# Allegro board IMX28x_TEST_V10A.brd
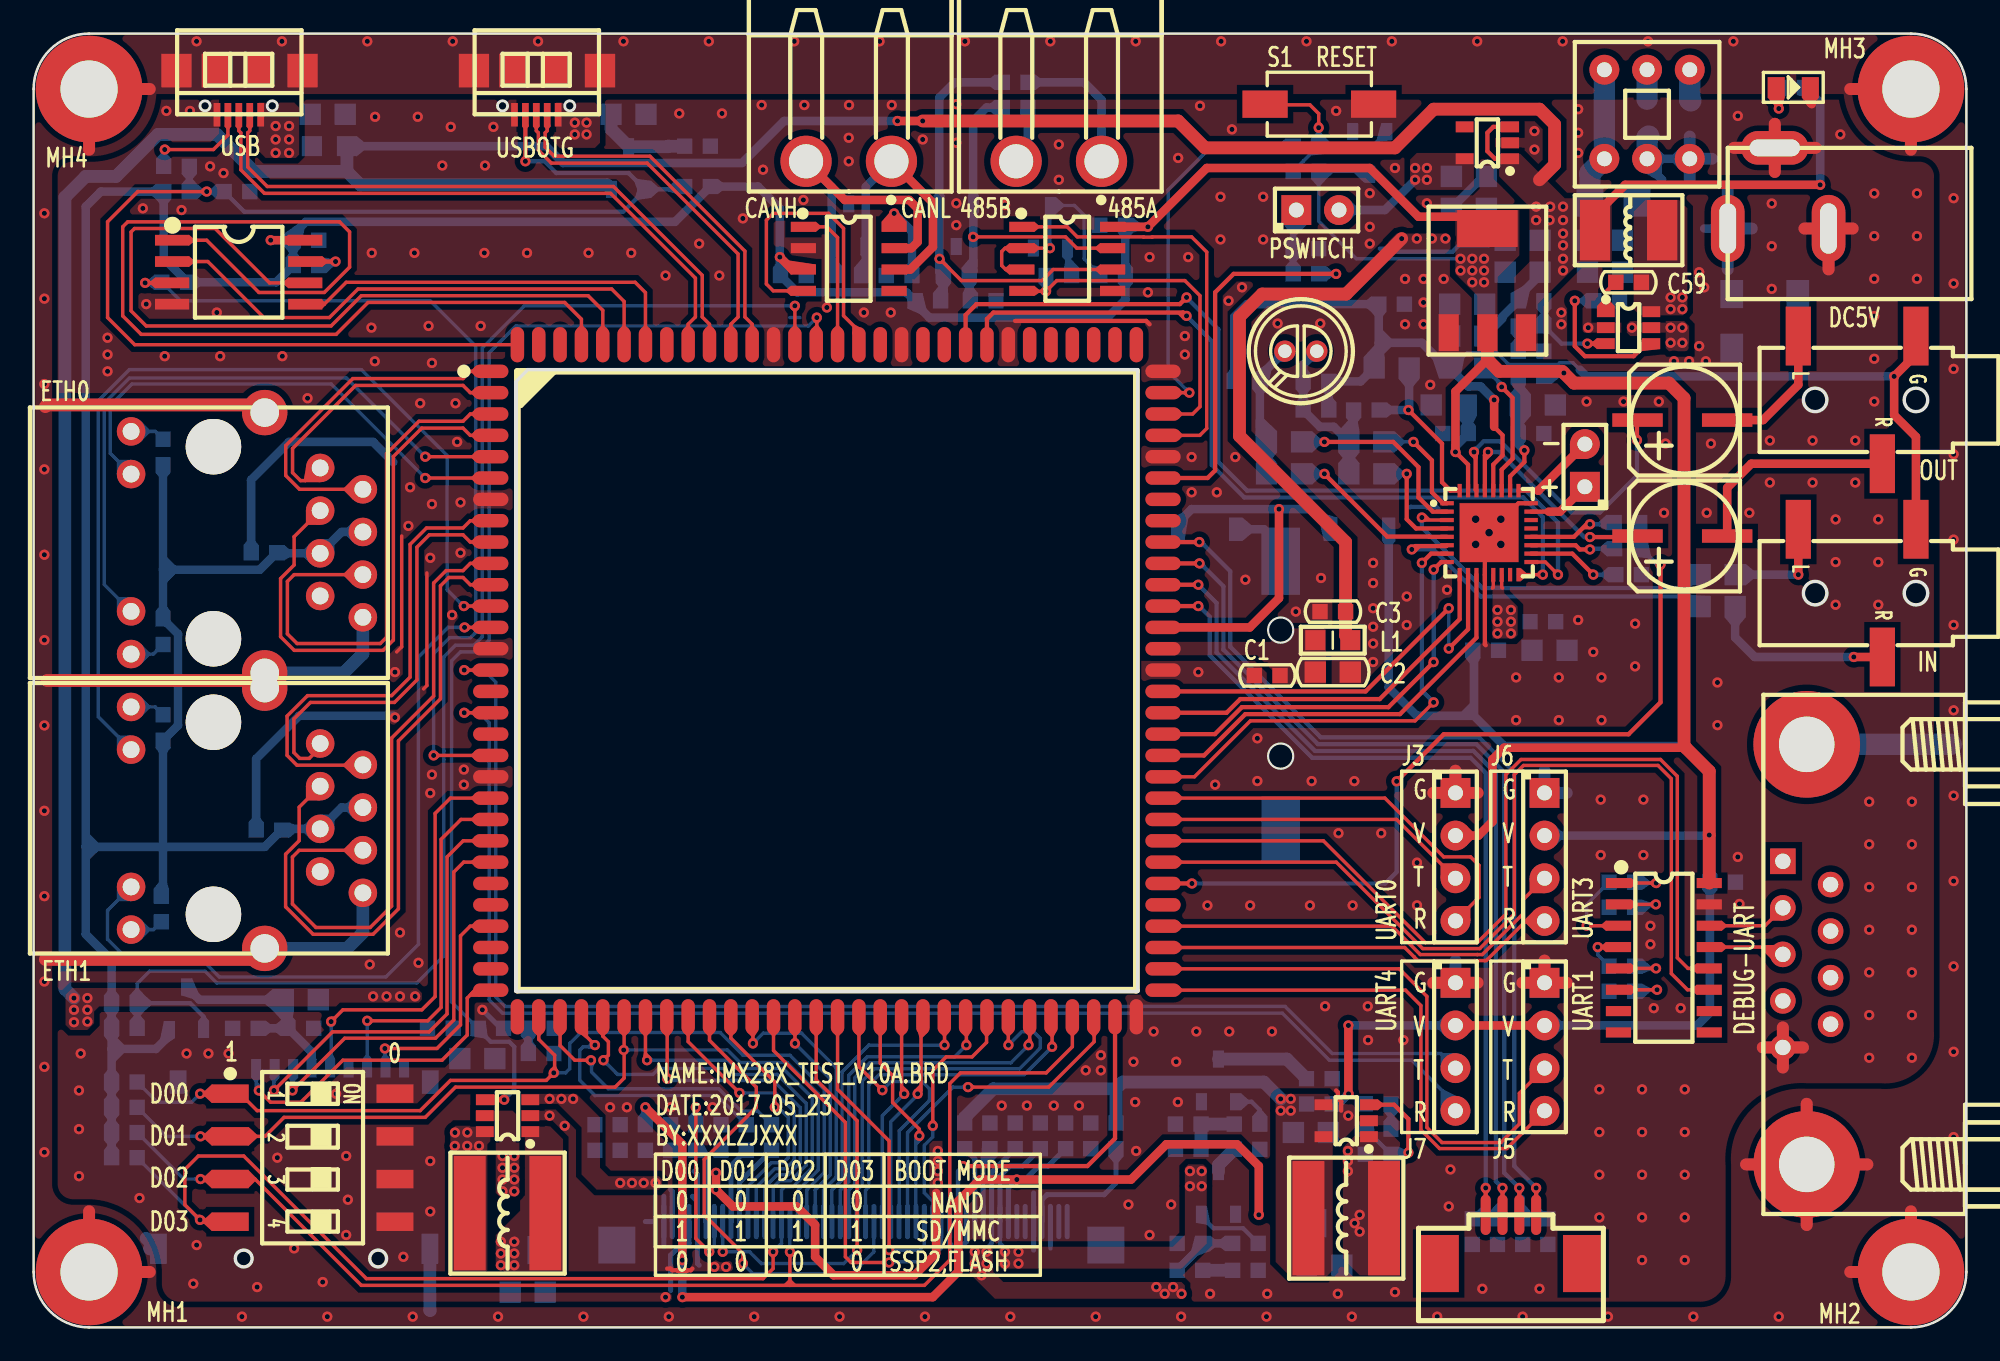
[diagram p0: board, top side]
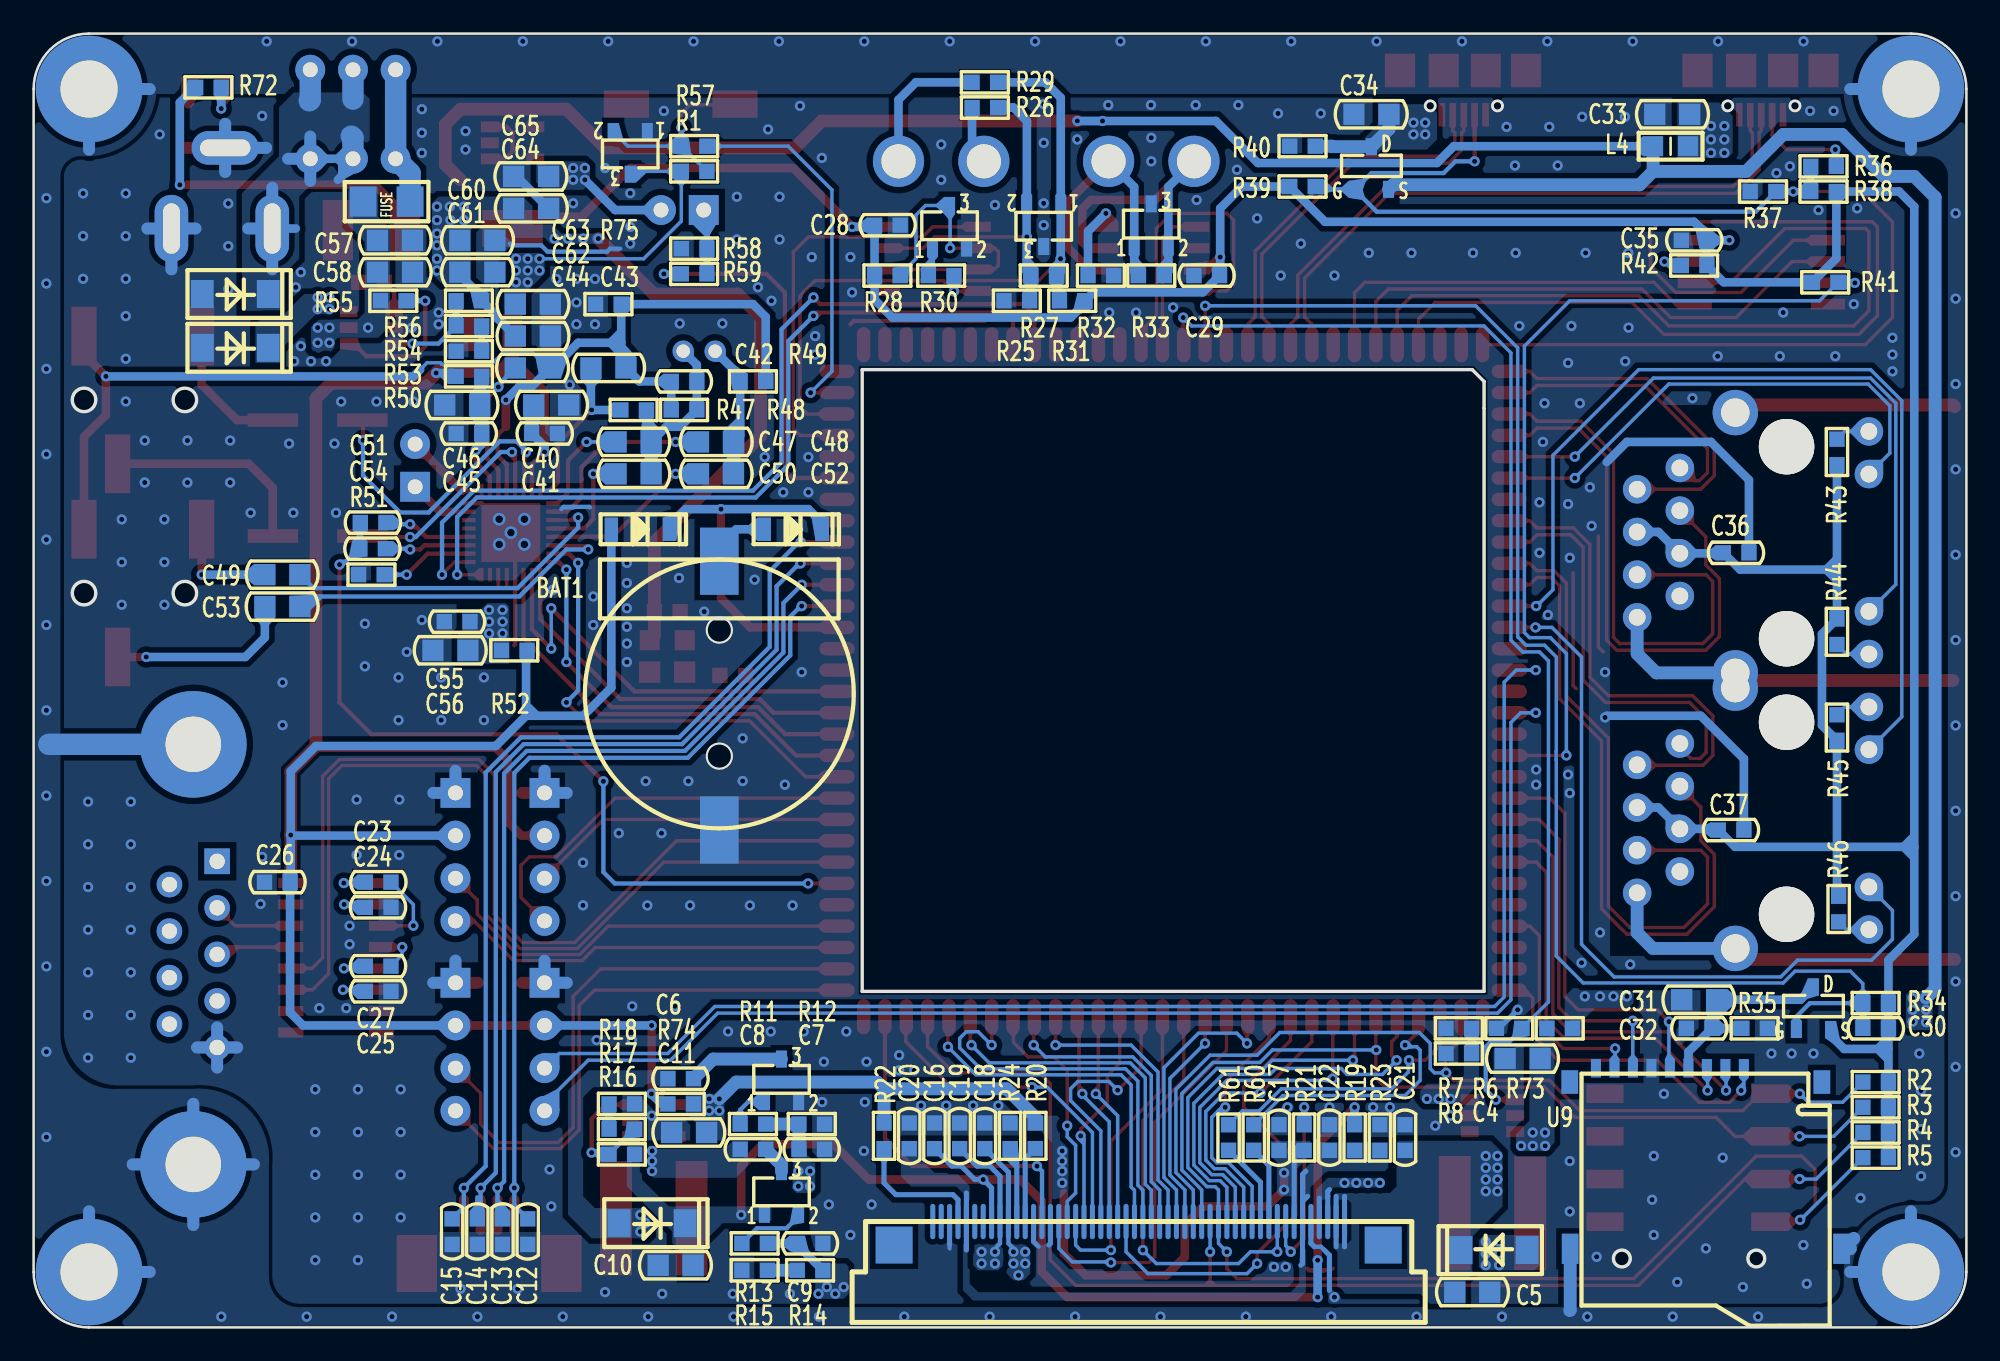
[diagram p1: board, bottom side, seen from below]

Outline 115 x 77 mm; copper layers: TOP, BOTTOM. Coordinates in mm from the lower left corner of the outline.
Outline path: 0,73.7 0,3.3 arc(0.97,0.97) 3.3,0 111.7,0 arc(114.03,0.97) 115,3.3 115,73.7 arc(114.03,76.03) 111.7,77 3.3,77 arc(0.97,76.03) 0,73.7

## Design rules (mm)
net group DP1: nets ETH0_RXN ETH0_RXP
net group DP2: nets ETH0_TXN ETH0_TXP
net group DP3: nets ETH1_RXN ETH1_RXP
net group DP4: nets ETH1_TXN ETH1_TXP
net group DP5: nets USB_DM USB_DP
net group DP6: nets USBOTG_DM USBOTG_DP
net group DP7: nets CAN_H CAN_L

## Placement (name value [footprint] x y rotation side)
BAT1  BAT_CR1220  [CR1220]  74.2 37.6 90 bottom
C1  0.1uF_50V  [CC0603]  73.4 38.8 0 top
C2  10uF_25V  [CC0805]  77.3 39 0 top
C3  0.1uF_50V  [CC0603]  77.3 42.6 0 top
C4  10uF_25V  [CC0805]  26.4 16 0 bottom
C5  10uF_25V  [CC0805]  29.4 2.1 180 bottom
C6  0.1uF_50V  [CC0603]  76.5 14.8 0 bottom
C7  0.1uF_50V  [CC0603]  68.7 10.6 0 bottom
C8  0.1uF_50V  [CC0603]  72.2 10.6 0 bottom
C9  0.1uF_50V  [CC0603]  68.8 5 0 bottom
C10  10uF_25V  [CC0805]  76.8 3.7 0 bottom
C11  10uF_25V  [CC0805]  76 11.6 0 bottom
C12  1nF_50V  [CC0603]  85.6 5.7 90 bottom
C13  1nF_50V  [CC0603]  87.1 5.7 90 bottom
C14  1nF_50V  [CC0603]  88.6 5.7 90 bottom
C15  1nF_50V  [CC0603]  90.1 5.7 90 bottom
C16  0.1uF_50V  [CC0603]  61.4 11.4 270 bottom
C17  0.1uF_50V  [CC0603]  40.9 11.3 270 bottom
C18  0.1uF_50V  [CC0603]  58.4 11.4 270 bottom
C19  0.1uF_50V  [CC0603]  59.9 11.4 270 bottom
C20  0.1uF_50V  [CC0603]  62.9 11.4 270 bottom
C21  0.1uF_50V  [CC0603]  33.4 11.3 270 bottom
C22  0.1uF_50V  [CC0603]  37.9 11.3 270 bottom
C23  0.1uF_50V  [CC0603]  94.5 26.5 180 bottom
C24  0.1uF_50V  [CC0603]  94.5 25 0 bottom
C25  0.1uF_50V  [CC0603]  94.5 20 0 bottom
C26  0.1uF_50V  [CC0603]  100.5 26.5 180 bottom
C27  0.1uF_50V  [CC0603]  94.5 21.5 0 bottom
C28  0.1uF_50V  [CC0603]  64.2 65.6 180 bottom
C29  0.1uF_50V  [CC0603]  45.2 62.6 0 bottom
C30  0.1uF_50V  [CC0603]  5.4 17.8 180 bottom
C31  10uF_25V  [CC0805]  15.9 19.5 0 bottom
C32  0.1uF_50V  [CC0603]  15.9 17.8 180 bottom
C33  10uF_25V  [CC0805]  17.5 72.2 180 bottom
C34  10uF_25V  [CC0805]  35.4 72.2 0 bottom
C35  0.1uF_50V  [CC0603]  16.2 64.7 180 bottom
C36  0.1uF_50V  [CC0603]  13.7 46.1 0 bottom
C37  0.1uF_50V  [CC0603]  14 29.6 0 bottom
C38  220uF_10V_ED6R3  [CAP-ED6R3]  98.1 47.1 180 top
C39  220uF_10V_ED6R3  [CAP-ED6R3]  98.1 54 180 top
C40  10uF_25V  [CC0805]  84.2 54.9 180 bottom
C41  0.1uF_50V  [CC0603]  84.6 53.2 180 bottom
C42  220pF_50V  [CC0603]  76.3 56.3 0 bottom
C43  10uF_25V  [CC0805]  80.8 57.1 180 bottom
C44  10uF_25V  [CC0805]  85.3 57.1 0 bottom
C45  0.1uF_50V  [CC0603]  89.1 53.2 0 bottom
C46  10uF_25V  [CC0805]  89.5 54.9 0 bottom
C47  10uF_25V  [CC0805]  79.3 52.7 180 bottom
C48  10uF_25V  [CC0805]  74.4 52.7 180 bottom
C49  10uF_25V  [CC0805]  100.2 44.8 0 bottom
C50  10uF_25V  [CC0805]  79.3 50.8 180 bottom
C51  0.1uF_50V  [CC0603]  94.8 47.9 0 bottom
C52  10uF_25V  [CC0805]  74.4 50.8 180 bottom
C53  10uF_25V  [CC0805]  100.2 42.9 0 bottom
C54  0.1uF_50V  [CC0603]  94.83 46.34 0 bottom
C55  0.1uF_50V  [CC0603]  89.8 42 0 bottom
C56  10uF_25V  [CC0805]  90.2 40.3 0 bottom
C57  10uF_25V  [CC0805]  93.5 64.7 180 bottom
C58  10uF_25V  [CC0805]  93.5 62.8 180 bottom
C59  10nF_50V  [CC0603]  94.9 62.2 180 top
C60  10uF_25V  [CC0805]  88.6 64.7 180 bottom
C61  10uF_25V  [CC0805]  88.6 62.8 180 bottom
C62  10uF_25V  [CC0805]  85.3 59 180 bottom
C63  10uF_25V  [CC0805]  85.3 60.9 180 bottom
C64  10uF_25V  [CC0805]  85.4 66.6 180 bottom
C65  10uF_25V  [CC0805]  85.4 68.5 0 bottom
D2  1N4148W-TP  [SOD-123]  80.5 47.5 180 bottom
D3  SS24  [DO-214AC]  28.1 4.6 180 bottom
D4  BAT54S  [SOT23-3]  70.5 14.7 180 bottom
D5  BAT54S  [SOT23-3]  70.5 8 180 bottom
D6  SS24  [DO-214AC]  78.2 6.2 0 bottom
D7  SS24  [DO-214AC]  103 61.5 0 bottom
D8  SS24  [DO-214AC]  103 58.3 0 bottom
D9  1N4148W-TP  [SOD-123]  71.4 47.5 180 bottom
D10  LED_GREEN  [LED0805]  104.7 73.8 0 top
DC1  -  [DC005]  106.8 65.4 180 top
F1  nSMD100-16V  [FUSE1206]  94 67 0 bottom
J1  FPC_50_05mm  [FPC50]  61.5 6.3 180 bottom
J2  FPC_4_10  [FPC4]  87.9 6.7 0 top
J3  -  [HEADER4X1_2R54]  84.6 28 270 top
J4  -  [DB9-F]  105.5 22.2 270 top
J5  -  [HEADER4X1_2R54]  89.9 16.7 270 top
J6  -  [HEADER4X1_2R54]  89.9 28 270 top
J7  -  [HEADER4X1_2R54]  84.6 16.7 270 top
J8  WJ2EDGRC-5.08-2P  [WJ2EDGRC-5R08-2P]  61 69.4 180 top
J9  WJ2EDGRC-5.08-2P  [WJ2EDGRC-5R08-2P]  48.5 69.4 180 top
J10  RJ45/HR911105A  [HR911105A]  10.7 46.7 90 top
J11  RJ45/HR911105A  [HR911105A]  10.7 30.3 90 top
J12  -  [HEADER2X1_2R54]  92.3 51.3 90 top
J13  -  [HEADER2X1_2R54]  76.4 66.5 0 top
L1  BEAD_BLM21PG600  [LC0805]  77.3 40.9 0 top
L2  SWPA6028S100MT  [SWPA6028]  28.2 6.8 0 top
L3  SWPA6028S100MT  [SWPA6028]  78.1 6.5 0 top
L4  BEAD_BLM21PG600  [LC0805]  17.6 70.3 180 bottom
L5  4.7uH_CD4532_20%  [L4532-P]  94.9 65.3 180 top
MH1  HOLD-M3  [HOLD250D134]  3.3 3.3 0 top
MH2  HOLD-M3  [HOLD250D134]  111.7 3.3 0 top
MH3  HOLD-M3  [HOLD250D134]  111.7 73.7 0 top
MH4  HOLD-M3  [HOLD250D134]  3.3 73.7 0 top
NOREF  -  []  0 0 0 top
NOREF#2  -  []  0 0 0 top
NOREF#3  -  []  0 0 90 top
NOREF#4  -  []  0 0 90 top
NOREF#5  -  []  0 0 90 top
NOREF#6  -  []  0 0 0 top
Q1  S9013LT1  [SOT23_123]  60.5 65.5 180 bottom
Q2  AO3415_PMOS  [SOT23_GDS]  9.1 19 180 bottom
Q3  AO3415_PMOS  [SOT23_GDS]  35.4 69 180 bottom
R1  10K  [RC0603]  75.7 68.8 180 bottom
R2  10K  [RC0603]  5.4 14.6 180 bottom
R3  10K  [RC0603]  5.4 13.1 180 bottom
R4  10K  [RC0603]  5.4 11.6 180 bottom
R5  10K  [RC0603]  5.4 10.1 180 bottom
R6  4.7K  [RC0603]  27.2 17.8 180 bottom
R7  2R2  [RC0603]  30.2 17.8 180 bottom
R8  2R2  [RC0603]  30.2 16.3 180 bottom
R11  4.7K  [RC0603]  72.2 12.1 0 bottom
R12  24K  [RC0603]  68.7 12.1 0 bottom
R13  4.7K  [RC0603]  72.1 5 0 bottom
R14  24K  [RC0603]  68.8 3.4 180 bottom
R15  4.7K  [RC0603]  72.1 3.4 180 bottom
R16  35.7K  [RC0603]  80 10.3 180 bottom
R17  4.7K  [RC0603]  80 11.8 180 bottom
R18  121R  [RC0603]  80 13.3 0 bottom
R19  15K  [RC0603]  36.4 11.3 90 bottom
R20  4.7K  [RC0603]  55.4 11.4 90 bottom
R21  4.7K  [RC0603]  39.4 11.3 270 bottom
R22  4.7K  [RC0603]  64.4 11.4 90 bottom
R23  10K  [RC0603]  34.9 11.3 270 bottom
R24  4.7K  [RC0603]  56.9 11.4 270 bottom
R25  4.7K  [RC0603]  56.5 61.1 0 bottom
R26  22R  [RC0603]  58.4 72.6 180 bottom
R27  120R/NI  [RC0603]  54.9 62.6 0 bottom
R28  10K  [RC0603]  64.2 62.6 0 bottom
R29  22R  [RC0603]  58.4 74.1 180 bottom
R30  10K  [RC0603]  61 62.6 0 bottom
R31  4.7K  [RC0603]  53.2 61.1 0 bottom
R32  10K  [RC0603]  51.5 62.6 0 bottom
R33  120R  [RC0603]  48.5 62.6 180 bottom
R34  10K  [RC0603]  5.4 19.3 180 bottom
R35  100K  [RC0603]  12.6 17.8 0 bottom
R36  0R  [RC0603]  8.5 69.1 0 bottom
R37  10K  [RC0603]  12.1 67.6 0 bottom
R38  10K/NI  [RC0603]  8.5 67.6 180 bottom
R39  10K  [RC0603]  39.5 67.9 0 bottom
R40  100K  [RC0603]  39.5 70.3 180 bottom
R41  10K  [RC0603]  8.4 62.2 0 bottom
R42  10K  [RC0603]  16.2 63.2 180 bottom
R43  510R  [RC0603]  7.7 52.1 90 bottom
R44  510R  [RC0603]  7.7 41.4 270 bottom
R45  510R  [RC0603]  7.7 35.7 90 bottom
R46  510R  [RC0603]  7.6 24.9 270 bottom
R47  680R  [RC0603]  79.3 54.6 0 bottom
R48  47K  [RC0603]  76.3 54.6 180 bottom
R49  0R  [RC0603]  72.2 56.3 180 bottom
R50  0R  [RC0603]  89.1 56.6 0 bottom
R51  10K  [RC0603]  94.9 44.8 0 bottom
R52  10R  [RC0603]  86.4 40.3 180 bottom
R53  9.53K  [RC0603]  89.1 58.1 180 bottom
R54  9.53K  [RC0603]  89.1 59.6 0 bottom
R55  100K  [RC0603]  93.6 61.1 0 bottom
R56  49.9K  [RC0603]  89.1 61.1 180 bottom
R57  10K  [RC0603]  75.7 70.3 0 bottom
R58  10K  [RC0603]  75.7 64.2 0 bottom
R59  1K  [RC0603]  75.7 62.7 180 bottom
R60  0R/NI  [RC0603]  42.4 11.3 90 bottom
R61  0R/NI  [RC0603]  43.9 11.3 90 bottom
R72  1K  [RC0603]  104.6 73.8 0 bottom
R73  0R  [RC0603]  24.2 17.8 180 bottom
R74  0R  [RC0603]  76.5 13.3 0 bottom
R75  0R  [RC0603]  80.8 60.9 180 bottom
S1  KEY_RESETN  [KEY_SMD_2]  76.5 72.8 0 top
SW1  -  [DM-04-V]  16.6 10.1 270 top
U1  COM-IMX28x  [ISAMI_120]  27.2 56.9 0 top
U2  XZ5121  [SOT23-6]  28.2 12.6 90 top
U3  AT1308X  [SOT23-5]  78.1 12.3 90 top
U4  MAX3232ESE+  [SOIC16]  97 22 270 top
U5  PESD1CAN  [SOT23-3]  54.9 65.6 0 bottom
U6  MAX3485ESA  [SOIC8]  61.5 63.6 270 top
U7  SN65VHD230DR  [SOIC8]  48.5 63.6 270 top
U8  PESD1CAN  [SOT23-3]  48.5 65.6 180 bottom
U9  -  [TFCARD]  15.5 15.1 180 bottom
U10  W25Q128FVSIG  [SOIC-8_208]  12.2 62.8 270 top
U11  -  [EARPHONE]  109.8 55.2 270 top
U12  -  [MIC]  75.4 58.1 180 top
U13  -  [EARPHONE]  109.8 43.7 270 top
U14  WM8978  [QFN-32]  86.6 47.3 270 top
U15  -  [SWITCH_6P]  96 72.2 180 top
U16  MP2359DJ-LF-Z  [SOT23-6]  94.9 59.5 270 top
U17  AMS1117-3.3  [SOT-223]  86.5 62.3 0 top
U20  SPX3819M5-L-2-5/TR  [SOT23-5]  86.5 70.5 90 top
U23  MAX809SN293D3T1G  [SOT23_123]  79.5 69.9 0 bottom
USB1  -  [USB-MICRO]  12.2 72.1 180 top
USB2  -  [USB-MICRO]  29.9 72.1 180 top

## Library data of the parts
BAT1 = CR1220
C1 C3 C6-C9 C12-C22 C28 C30 C32-C34 C36 C37 C64 C65 = CAP NP_2
C2 C4 C5 C10 C11 C31 = CAP NP_0
C23-C27 C29 C35 C41 C42 C45 C51 C54 C55 = CAP NP
C38 C39 = CAPT_100UF_3528_6r3V_10%_LXXXX
C40 C43 C44 C46-C50 C52 C53 C56-C58 C60-C63 = C_Generic
C59 = CAPACITOR NON-POL
D2 D9 = DIODE13_7
D3 D6-D8 = DIODE13_8
D4 D5 = BAT54S/SOT_0
D10 = LED_4
DC1 = DC005
F1 = FUSE
J1 = FPC_40_2
J2 = FPC_4_10mm
J3 J5-J7 = CONN RCPT 4
J4 = DB9-F_0
J8 J9 = WJ2EDGRC-5_0.08-2P
J10 J11 = CON_RJ45_1X8_F_RA_0
J12 = CONN PLUG 2_0
J13 = HDR_1
L1 L4 L5 = IND_BEAD_0805_600OHM_200MA
L2 L3 = INDUCTOR_0
MH1-MH4 = Hold_1
Q1 = L14G1/TO_2
Q2 Q3 = MOS-P_0
R1-R8 R11-R61 R72-R75 = R_Generic
S1 = SW PUSHBUTTON_0
SW1 = SW DIP-4_0
U1 = CoM-S2416_28
U2 = mp3202_1
U3 = AT1308X_0
U4 = ADM202_0
U5 U8 = PESD1CAN
U6 = MAX3485ESA
U7 = TJA1050
U9 = TFCARD_1
U10 = W25Qxx
U11 U13 = EARPHONE
U12 = MIC
U14 = WM8978
U15 = SWITCH_0
U16 = RT8259_0
U17 = AMS1117-3.3
U20 = SPX3819M5-L-1-2
U23 = MAX809_0
USB1 USB2 = USB-MICRO

## Footprints (pads in the part's own frame, mm; a bottom-side part is the same pattern mirrored in y, then rotated)
CAP-ED6R3
  rect 3x0.8 smd: 1(2.667,0) 2(-2.667,0)
CC0603
  rect 0.914x0.914 smd: 1(-0.762,0) 2(0.762,0)
CC0805
  rect 1.27x1.27 smd: 1(-1.041,0) 2(1.041,0)
CR1220
  rect 4x2.3 smd: 1(8,0) 2(-8,0)
DB9-F
  rect 1.524x1.524 hole 0.914: 1(-5.54,-1.42)
  round 1.524 hole 0.914: 2(-2.77,-1.42) 3(0,-1.42) 4(2.77,-1.42) 5(5.54,-1.42) 6(-4.155,1.42) 7(-1.385,1.42) 8(1.385,1.42) 9(4.155,1.42)
  round 6.35 hole 3.302: 10(12.5,0) 11(-12.5,0)
DC005
  oval 2x4 hole 1x3: 1(6,0) 2(0,0)
  oval 4x2 hole 3x1: 3(3.2,-4.8)
DM-04-V
  rect 1.1x2.2 smd: 1(-3.81,-4.9) 2(-1.27,-4.9) 3(1.27,-4.9) 4(3.81,-4.9) 5(3.81,4.9) 6(1.27,4.9) 7(-1.27,4.9) 8(-3.81,4.9)
DO-214AC
  rect 1.36x1.67 smd: 1(1.965,0) 2(-1.965,0)
EARPHONE
  rect 3.5x1.5 smd: 1(3.8,0.2) 2(-3.8,-4.8) 3(-3.8,2.2)
FPC4
  rect 2.4x3.4 smd: (-4.3,-2.9) (4.3,-2.9)
  oval 0.6x2.4 smd: 1(1.5,0) 2(0.5,0) 3(-0.5,0) 4(-1.5,0)
FPC50
  rect 2.2x2.2 smd: (-2.3,-1.4) (26.8,-1.4)
  oval 0.3x2.1 smd: 1(24.5,0) 2(24,0) 3(23.5,0) 4(23,0) 5(22.5,0) 6(22,0) 7(21.5,0) 8(21,0) 9(20.5,0) 10(20,0) 11(19.5,0) 12(19,0) 13(18.5,0) 14(18,0) 15(17.5,0) 16(17,0) 17(16.5,0) 18(16,0) 19(15.5,0) 20(15,0) 21(14.5,0) 22(14,0) 23(13.5,0) 24(13,0) 25(12.5,0) 26(12,0) 27(11.5,0) 28(11,0) 29(10.5,0) 30(10,0) 31(9.5,0) 32(9,0) 33(8.5,0) 34(8,0) 35(7.5,0) 36(7,0) 37(6.5,0) 38(6,0) 39(5.5,0) 40(5,0) 41(4.5,0) 42(4,0) 43(3.5,0) 44(3,0) 45(2.5,0) 46(2,0) 47(1.5,0) 48(1,0) 49(0.5,0) 50(0,0)
FUSE1206
  rect 1.6x1.8 smd: 1(-1.4,0) 2(1.4,0)
HEADER2X1_2R54
  rect 1.778x1.778 hole 0.889: 1(-1.27,0)
  round 1.778 hole 0.889: 2(1.27,0)
HEADER4X1_2R54
  rect 1.778x1.778 hole 0.889: 1(-3.81,0)
  round 1.778 hole 0.889: 2(-1.27,0) 3(1.27,0) 4(3.81,0)
HOLD250D134
  round 6.35 hole 3.404: 1(0,0)
HR911105A
  round 3.3 hole 3.3 unplated: (-5.715,0) (5.715,0)
  round 1.699 hole 1.001: 1(4.45,-6.35) 2(3.18,-8.89) 3(1.91,-6.35) 4(0.64,-8.89) 5(-0.63,-6.35) 6(-1.9,-8.89) 7(-3.17,-6.35) 8(-4.44,-8.89) 9(6.625,4.9) 10(4.085,4.9) 11(-4.085,4.9) 12(-6.625,4.9)
  round 2.7 hole 1.7: 13(7.745,-3.05) 14(-7.745,-3.05)
ISAMI_120
  oval 2.1x0.8 smd: 1(0,0) 2(0,-1.27) 3(0,-2.54) 4(0,-3.81) 5(0,-5.08) 6(0,-6.35) 7(0,-7.62) 8(0,-8.89) 9(0,-10.16) 10(0,-11.43) 11(0,-12.7) 12(0,-13.97) 13(0,-15.24) 14(0,-16.51) 15(0,-17.78) 16(0,-19.05) 17(0,-20.32) 18(0,-21.59) 19(0,-22.86) 20(0,-24.13) 21(0,-25.4) 22(0,-26.67) 23(0,-27.94) 24(0,-29.21) 25(0,-30.48) 26(0,-31.75) 27(0,-33.02) 28(0,-34.29) 29(0,-35.56) 30(0,-36.83) 61(40,-36.83) 62(40,-35.56) 63(40,-34.29) 64(40,-33.02) 65(40,-31.75) 66(40,-30.48) 67(40,-29.21) 68(40,-27.94) 69(40,-26.67) 70(40,-25.4) 71(40,-24.13) 72(40,-22.86) 73(40,-21.59) 74(40,-20.32) 75(40,-19.05) 76(40,-17.78) 77(40,-16.51) 78(40,-15.24) 79(40,-13.97) 80(40,-12.7) 81(40,-11.43) 82(40,-10.16) 83(40,-8.89) 84(40,-7.62) 85(40,-6.35) 86(40,-5.08) 87(40,-3.81) 88(40,-2.54) 89(40,-1.27) 90(40,0)
  oval 0.8x2.1 smd: 31(1.585,-38.415) 32(2.855,-38.415) 33(4.125,-38.415) 34(5.395,-38.415) 35(6.665,-38.415) 36(7.935,-38.415) 37(9.205,-38.415) 38(10.475,-38.415) 39(11.745,-38.415) 40(13.015,-38.415) 41(14.285,-38.415) 42(15.555,-38.415) 43(16.825,-38.415) 44(18.095,-38.415) 45(19.365,-38.415) 46(20.635,-38.415) 47(21.905,-38.415) 48(23.175,-38.415) 49(24.445,-38.415) 50(25.715,-38.415) 51(26.985,-38.415) 52(28.255,-38.415) 53(29.525,-38.415) 54(30.795,-38.415) 55(32.065,-38.415) 56(33.335,-38.415) 57(34.605,-38.415) 58(35.875,-38.415) 59(37.145,-38.415) 60(38.415,-38.415) 91(38.415,1.585) 92(37.145,1.585) 93(35.875,1.585) 94(34.605,1.585) 95(33.335,1.585) 96(32.065,1.585) 97(30.795,1.585) 98(29.525,1.585) 99(28.255,1.585) 100(26.985,1.585) 101(25.715,1.585) 102(24.445,1.585) 103(23.175,1.585) 104(21.905,1.585) 105(20.635,1.585) 106(19.365,1.585) 107(18.095,1.585) 108(16.825,1.585) 109(15.555,1.585) 110(14.285,1.585) 111(13.015,1.585) 112(11.745,1.585) 113(10.475,1.585) 114(9.205,1.585) 115(7.935,1.585) 116(6.665,1.585) 117(5.395,1.585) 118(4.125,1.585) 119(2.855,1.585) 120(1.585,1.585)
KEY_SMD_2
  rect 2.692x1.626 smd: 1(-3.23,0) 2(3.23,0)
L4532-P
  rect 1.8x3.6 smd: 1(-2,0) 2(2,0)
LC0805
  rect 1.194x1.194 smd: 1(-1.041,0) 2(1.041,0)
LED0805
  rect 1.016x1.219 smd: 1(-1.016,0) 2(1.016,0)
MIC
  round 1.27 hole 0.8: 1(-0.95,0) 2(0.95,0)
QFN-32
  rect 0.25x0.8 smd: 1(-1.75,-2.5) 2(-1.25,-2.5) 3(-0.75,-2.5) 4(-0.25,-2.5) 5(0.25,-2.5) 6(0.75,-2.5) 7(1.25,-2.5) 8(1.75,-2.5) 17(1.75,2.5) 18(1.25,2.5) 19(0.75,2.5) 20(0.25,2.5) 21(-0.25,2.5) 22(-0.75,2.5) 23(-1.25,2.5) 24(-1.75,2.5)
  rect 0.8x0.25 smd: 9(2.5,-1.75) 10(2.5,-1.25) 11(2.5,-0.75) 12(2.5,-0.25) 13(2.5,0.25) 14(2.5,0.75) 15(2.5,1.25) 16(2.5,1.75) 25(-2.5,1.75) 26(-2.5,1.25) 27(-2.5,0.75) 28(-2.5,0.25) 29(-2.5,-0.25) 30(-2.5,-0.75) 31(-2.5,-1.25) 32(-2.5,-1.75)
  rect 3.5x3.5 smd: 33(0,0)
RC0603
  rect 0.914x0.914 smd: 1(-0.762,0) 2(0.762,0)
SOD-123
  rect 0.8x1.4 smd: 1(-0.127,0) 2(3.327,0)
SOIC8
  rect 0.6x1.5 smd: 1(-1.9,-2.7) 2(-0.63,-2.7) 3(0.64,-2.7) 4(1.91,-2.7) 5(1.91,2.7) 6(0.64,2.7) 7(-0.63,2.7) 8(-1.9,2.7)
SOIC16
  rect 0.6x1.5 smd: 1(-4.445,-2.7) 2(-3.175,-2.7) 3(-1.905,-2.7) 4(-0.635,-2.7) 5(0.635,-2.7) 6(1.905,-2.7) 7(3.175,-2.7) 8(4.445,-2.7) 9(4.445,2.7) 10(3.175,2.7) 11(1.905,2.7) 12(0.635,2.7) 13(-0.635,2.7) 14(-1.905,2.7) 15(-3.175,2.7) 16(-4.445,2.7)
SOIC-8_208
  rect 0.635x2.032 smd: 1(-1.905,-3.962) 2(-0.635,-3.962) 3(0.635,-3.962) 4(1.905,-3.962) 5(1.905,3.962) 6(0.635,3.962) 7(-0.635,3.962) 8(-1.905,3.962)
SOT23-3
  rect 0.66x1.016 smd: 1(-1.016,-1.27) 2(1.016,-1.27) 3(0,1.27)
SOT23-5
  rect 0.65x1.06 smd: 1(-0.95,-1.354) 2(0,-1.354) 3(0.95,-1.354) 4(0.95,1.354) 5(-0.95,1.354)
SOT23-6
  rect 0.65x1.06 smd: 1(-0.95,-1.354) 2(0,-1.354) 3(0.95,-1.354) 4(0.95,1.354) 5(0,1.354) 6(-0.95,1.354)
SOT23_123
  rect 0.66x1.016 smd: 1(-1.016,-1.27) 2(1.016,-1.27) 3(0,1.27)
SOT23_GDS
  rect 0.66x1.016 smd: 1(-1.016,-1.27) 2(1.016,-1.27) 3(0,1.27)
SOT-223
  rect 1.2x2.2 smd: 1(-2.3,-3.1) 2(0,-3.1) 3(2.3,-3.1)
  rect 3.6x2.2 smd: 4(0,3.1)
SWITCH_6P
  round 1.778 hole 0.889: 1(-2.54,-2.65) 2(0,-2.65) 3(2.54,-2.65) 4(2.54,2.65) 5(0,2.65) 6(-2.54,2.65)
SWPA6028
  rect 1.9x6.8 smd: 1(-2.25,0) 2(2.25,0)
TFCARD
  rect 0.6x1.1 smd: 1(2.26,0.32) 2(1.16,0.32) 3(0.06,0.32) 4(-1.04,0.32) 5(-2.14,0.32) 6(-3.24,0.32) 7(-4.34,0.32) 8(-5.44,0.32) 9(-6.54,0.32)
  rect 1x1.4 smd: 10(-8.1,-0.5) 13(6.9,-0.5)
  rect 1x1.8 smd: 11(-8.074,-10.422) 12(8.074,-10.422)
USB-MICRO
  rect 0.4x1.4 smd: 1(-1.31,-0.07) 2(-0.66,-0.07) 3(-0.01,-0.07) 4(0.64,-0.07) 5(1.29,-0.07)
  rect 1.8x2 smd: 6(-3.8,-2.7) 7(-1.2,-2.7) 8(1.3,-2.7) 9(3.7,-2.7)
WJ2EDGRC-5R08-2P
  round 3.048 hole 2.032: 1(-2.54,0) 2(2.54,0)

## Nets
AGND: C42.2 C43.2 C44.1 R48.1 R49.2 R75.2 U11.3(G) U13.3(G) U14.28(AGND)
AVDD: C10.1 C16.2 D5.1 D6.2(CATHODE) J1.43 R16.2 R19.2
GND: BAT1.2 C1.1 C2.2 C3.1 C4.2 C5.2 C7.1 C9.1 C10.2 C11.2 C12.1 C13.1 C14.1 C15.1 C16.1 C17.1 C18.1 C19.1 C20.1 C21.1 C22.1 C24.1 C25.1 C26.1 C28.2 C29.2 C31.2 C32.1 C33.1 C34.2 C35.1 C36.1 C37.1 C40.2 C41.2 C45.2 C46.2 C55.2 C56.2 C57.2 C58.2 C60.2 C61.2 C62.2 C63.2 C64.2 C65.2 D4.2 D7.1(ANODE) D8.1(ANODE) D10.2(CATHODE) DC1.2 DC1.3 J1.5 J1.36 J1.38 J1.48 J3.1 J4.5 J5.1 J6.1 J7.1 Q1.2(E) R6.1 R7.1 R8.1 R12.1 R15.1 R18.1 R23.1 R24.1 R25.2 R32.1 R35.1 R37.2 R40.1 R51.2 R53.1 R58.2 R75.1 S1.2 SW1.5 SW1.6 SW1.7 SW1.8 U1.7(GND#7) U1.14(GND#14) U1.20(GND#20) U1.60(GND#60) U1.76(GND#76) U1.86(GND#86) U1.90(GND#90) U1.97(GND#97) U1.102(GND#102) U1.108(GND#108) U2.2(GND) U3.2(GND) U4.15(GND) U5.3 U6.5(GND) U7.2(GND) U8.3 U9.6(GND) U10.4(GND) U14.12(DGND) U14.24(SPKGND) U14.33(GND) U16.2(GND) U17.1(GND) U20.2(GND) U23.1(GND) USB1.5(GND) USB2.5(GND)
GND_EARTH: J4.10 J4.11 J10.8 J10.13(EG2) J10.14(EG1) J11.8 J11.13(EG2) J11.14(EG1) MH1.1 MH2.1 MH3.1 MH4.1 U9.11 U9.12 USB1.6(P_2) USB1.7(P_1) USB1.8(P_3) USB1.9(P_4) USB2.6(P_2) USB2.7(P_1) USB2.8(P_3) USB2.9(P_4)
VCC_2.5V_OUT: C65.1 J13.2 U20.5(VOUT)
VCC_3.3V_OUT: C26.2 C28.1 C29.1 C30.2 C35.2 C36.2 C37.2 C40.1 C41.1 C63.1 D2.1(ANODE) J3.2 J5.2 J6.2 J7.2 J10.4 J10.5 J11.4 J11.5 Q2.2(S) R1.1 R2.2 R3.2 R4.2 R5.2 R28.2 R31.1 R34.2 R38.2 R39.2 R41.2 R42.2 R43.1 R44.1 R45.1 R46.1 R50.2 R52.2 R74.2 U4.16(VCC) U6.8(VCC) U7.3(VCC) U10.8(VCC) U14.31(AVDD) U17.2(OUT_1) U17.4(OUT_2) U23.3(VCC)
VCC_3.8V_OUT: C3.2 C60.1 C61.1 C62.1 C64.1 L1.2(B) L4.1(A) L5.2(B) Q3.2(S) R56.2 R72.2 R73.2 U17.3(IN) U20.1(VIN) U20.3(EN)
VCC_RTC: D2.2(CATHODE) D9.2(CATHODE) U1.78(VRTC)
VCC_SD: C31.1 C32.2 Q2.3(D) R35.2 U9.4(VCC)
VDD_3P3V: C11.1 C17.2 J1.7 L3.1 R20.2 R21.2 R22.2 R74.1 U3.4(EN) U3.5(VX)
VDD_5V: C4.1 L2.1 R73.1 U2.6(IN)
VDD_CORE: C1.2 C2.1 L1.1(A) U1.77(VDD_5V)
485_A: J8.1 R29.1
485_B: J8.2 R26.1
BACKLIGHT_PWM: R6.2 U1.106(BACKLIGHT_PWM) U2.4(EN)
CAN1_RX: U1.104(CAN1_RX/GPMI_CE3N/GPIO0_19) U7.4(R)
CAN1_TX: U1.105(CAN1_TX/GPMI_CE2N/GPIO0_18) U7.1(D)
CAN_H: J9.2 R33.2 U7.7(CANH) U8.2
CAN_L: J9.1 R33.1 U7.6(CANL) U8.1
DITHER: J1.47 R22.1
DUART_RXD: U1.68(DUART_RX/GPIO3_16) U4.12(ROUT1)
DUART_TXD: U1.67(DUART_TX/GPIO3_17) U4.11(TIN1)
ENET0_ACT: J10.11(L1_YC_GA) U1.5(ENET0_100MLED2)
ENET0_LINK: J10.10(R1_YA_GC) U1.6(ENET0_LINKLED1)
ENET1_ACT: J11.11(L1_YC_GA) U1.13(ENET1_LINKLED1)
ENET1_LINK: J11.10(R1_YA_GC) U1.12(ENET1_100MLED2)
ETH0_RXN: J10.6(RXN1) U1.3(ETH0_RXN)
ETH0_RXP: J10.3(RXP1) U1.4(ETH0_RXP)
ETH0_TXN: J10.2(TXN1) U1.1(ETH0_TXN)
ETH0_TXP: J10.1(TXP1) U1.2(ETH0_TXP)
ETH1_RXN: J11.6(RXN1) U1.10(ETH1_RXN)
ETH1_RXP: J11.3(RXP1) U1.11(ETH1_RXP)
ETH1_TXN: J11.2(TXN1) U1.8(ETH1_TXN)
ETH1_TXP: J11.1(TXP1) U1.9(ETH1_TXP)
FLASH_WPN: R41.1 U1.19(GPIO2_14) U10.3(W\P\)
I2C0_SCL: U1.98(I2C0_SCL/GPIO3_24) U14.16(SCLK)
I2C0_SDA: U1.99(I2C0_SDA/GPIO3_25) U14.17(SDIN)
L/R: J1.39 R20.1
LCD_D00: J1.19 R2.1 SW1.1 U1.32(LCD_D00/GPIO1_0)
LCD_D01: J1.18 R3.1 SW1.2 U1.36(LCD_D01/GPIO1_1)
LCD_D02: J1.17 R4.1 SW1.3 U1.57(LCD_D02/GPIO1_2)
LCD_D03: J1.16 R5.1 SW1.4 U1.37(LCD_D03/GPIO1_3)
LCD_D04: J1.15 U1.35(LCD_D04/GPIO1_4)
LCD_D05: J1.14 U1.38(LCD_D05/GPIO1_5)
LCD_D06: J1.13 U1.39(LCD_D06/GPIO1_6)
LCD_D07: J1.12 U1.41(LCD_D07/GPIO1_7)
LCD_D08: J1.27 U1.40(LCD_D08/GPIO1_8)
LCD_D09: J1.26 U1.56(LCD_D09/GPIO1_9)
LCD_D10: J1.25 U1.54(LCD_D10/GPIO1_10)
LCD_D11: J1.24 U1.55(LCD_D11/GPIO1_11)
LCD_D12: J1.23 U1.52(LCD_D12/GPIO1_12)
LCD_D13: J1.22 U1.51(LCD_D13/GPIO1_13)
LCD_D14: J1.21 U1.42(LCD_D14/GPIO1_14)
LCD_D15: J1.20 U1.44(LCD_D15/GPIO1_15)
LCD_D16: J1.35 U1.43(LCD_D16/GPIO1_16)
LCD_D17: J1.34 U1.53(LCD_D17/GPIO1_17)
LCD_D18: J1.33 U1.46(LCD_D18/GPIO1_18)